# Allegro board meta_module_lay_rev1.brd (continued)
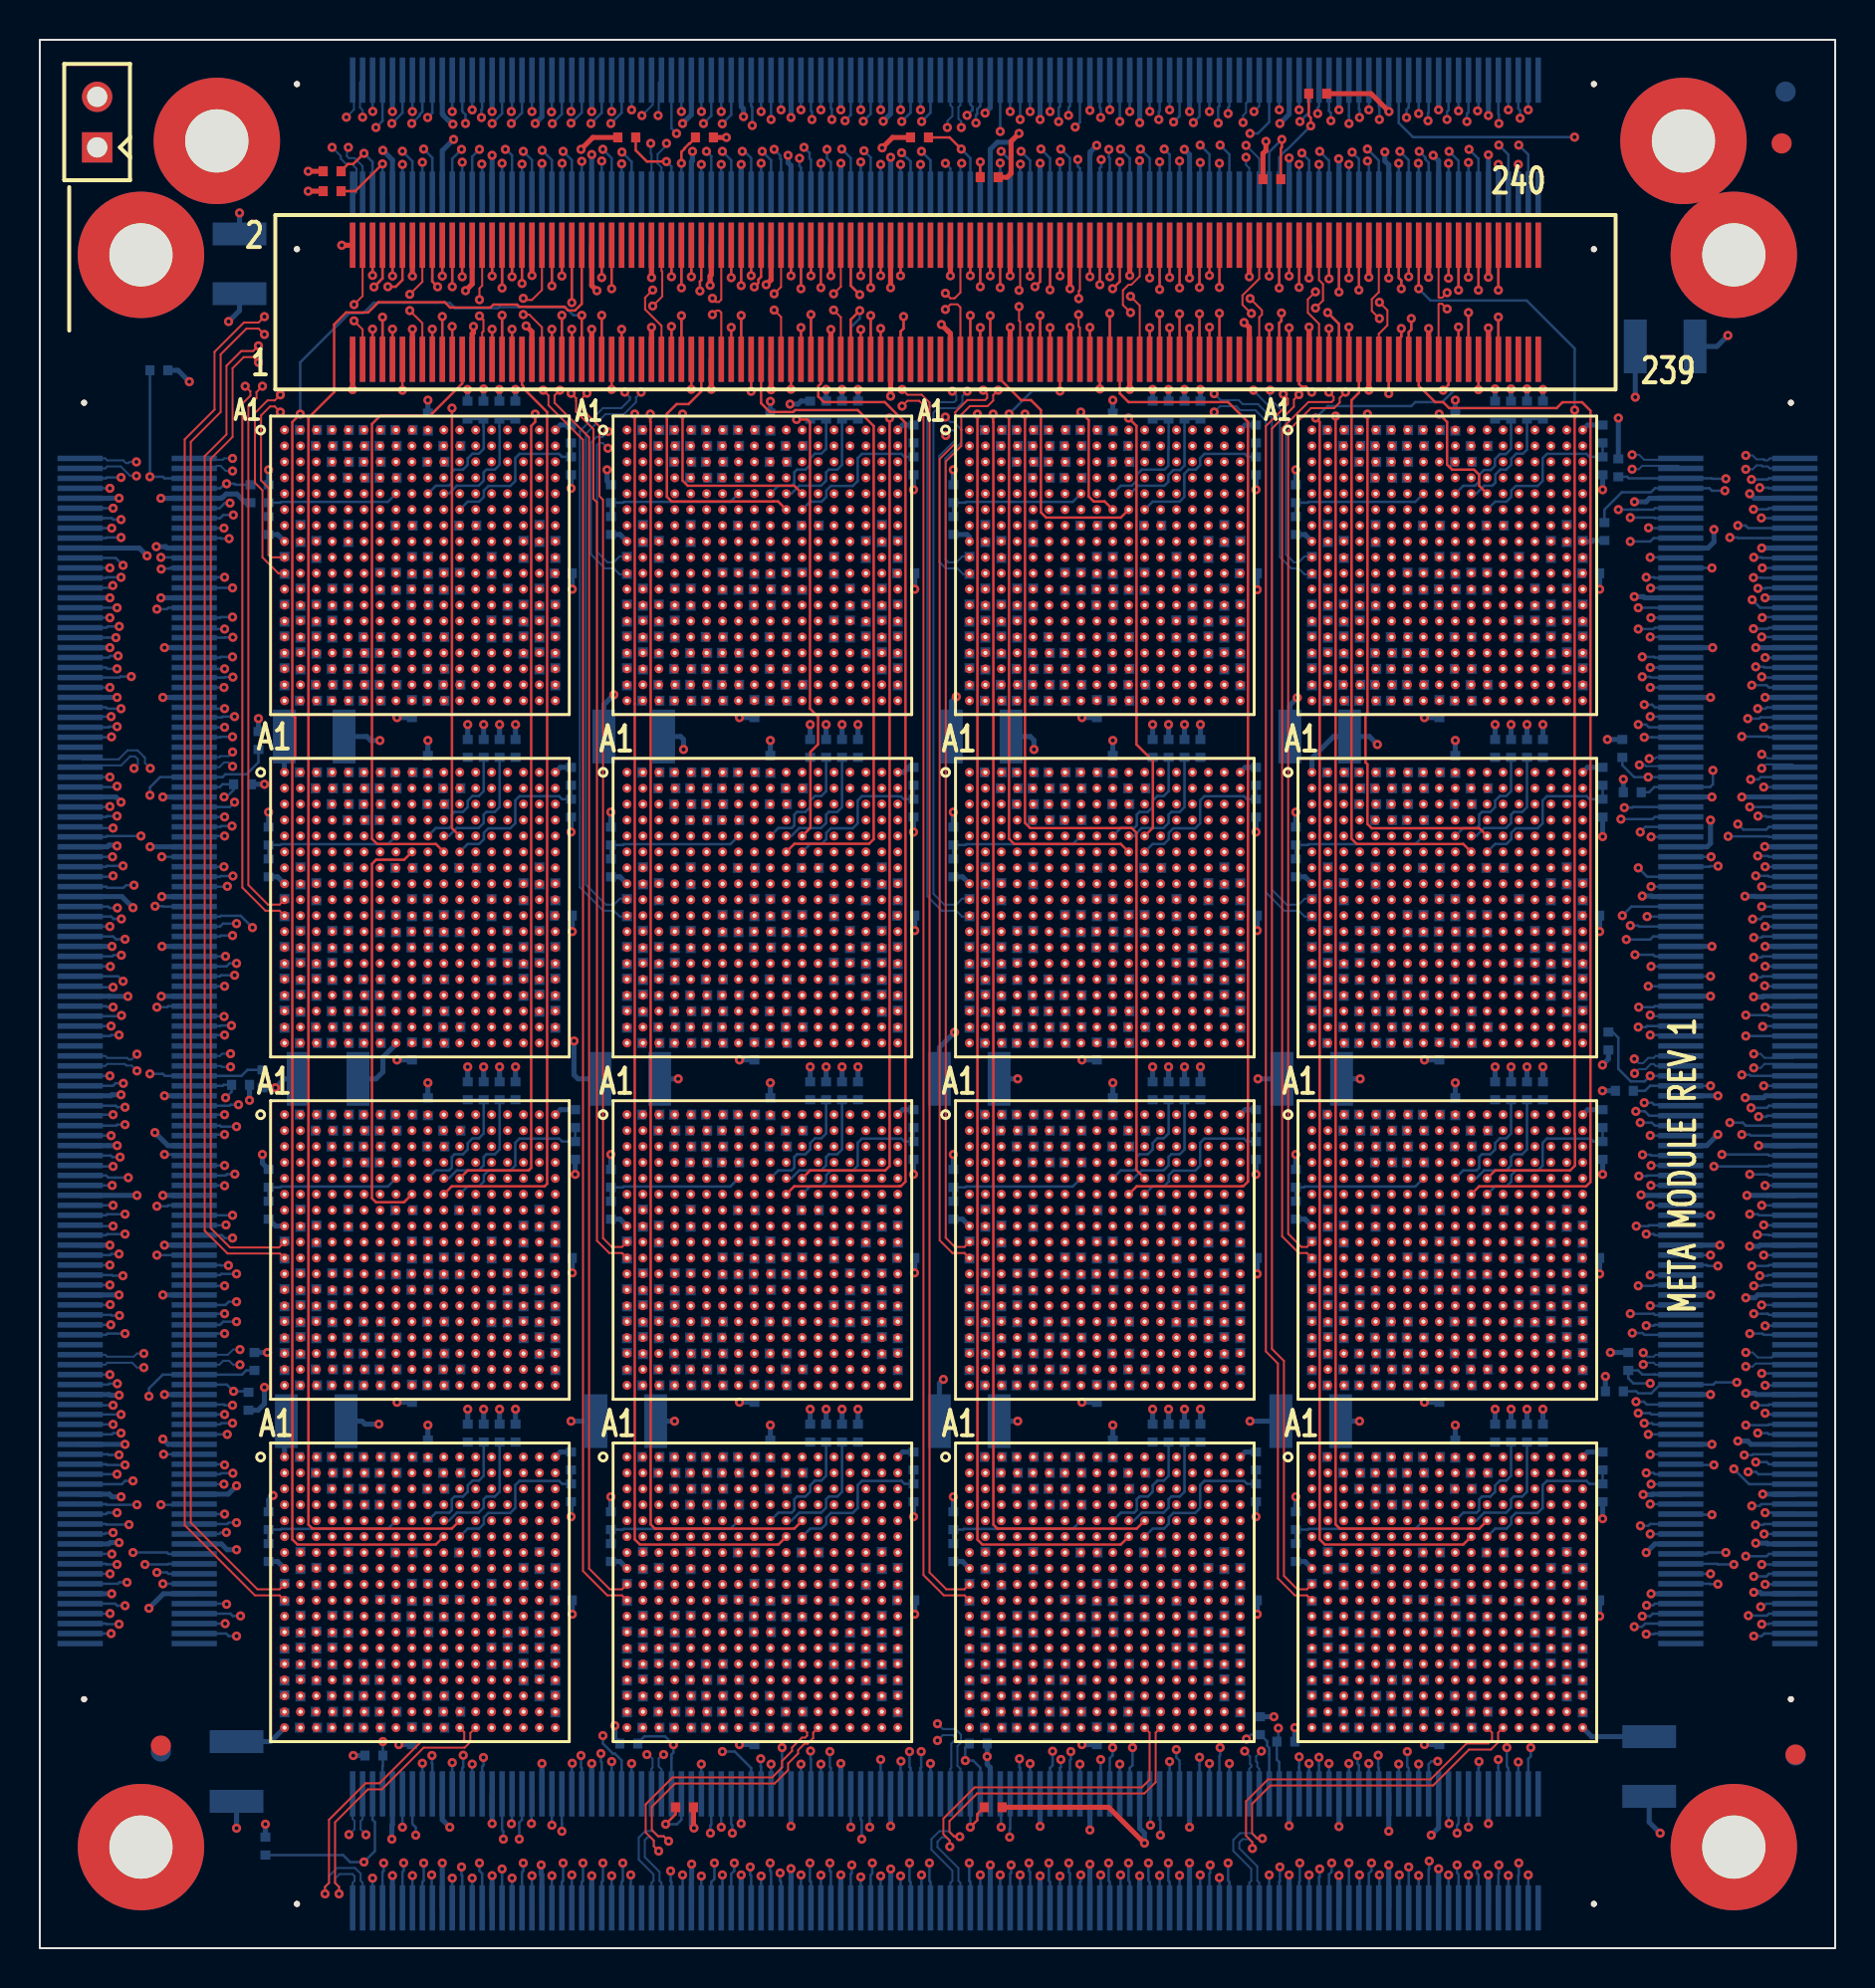
[diagram p0: board, top side]
## Routing (per net, layer and track width the routed paths; a pad name or vN(x,y) marks a point on that pad's centre or on a via; arc(x,y) is an arc through that point) (continued)
EA_WAIT_WR_OUT_N3: length 14.7
  SIGNAL_L12 w0.083: U14.K16 76.32,17.91 76.84,17.91 77.12,18.19 77.12,18.43 77.37,18.68 77.68,18.68 79.47,20.47 79.47,21.15 79.47,21.3 79.47,21.64 79.64,21.82 79.64,22.12 79.42,22.34 79.42,23.36 79.69,23.63 79.69,26.98 v1(80.17,27.46)
  BOTTOM w0.127: v1(80.17,27.46) 80.56,27.46 80.7,27.32 J3.49
EA_WAIT_WR_OUT_P0: length 8.3
  SIGNAL_L12 w0.083: U5.L16 76.29,68.68 76.81,68.68 77.08,68.95 77.08,69.28 77.28,69.48 77.68,69.48 78.88,70.68 78.88,70.88 v1(79.88,71.88)
  BOTTOM w0.127: v1(79.88,71.88) 81.09,71.88 81.12,71.85 J3.227
EA_WAIT_WR_OUT_P1: length 10.7
  SIGNAL_L12 w0.083: U6.L16 76.29,51.48 76.81,51.48 77.08,51.75 77.08,52.08 77.28,52.28 77.68,52.28 79.41,54.01 v1(79.41,56.73)
  BOTTOM w0.127: J3.167 81.12,56.84 81.01,56.73 v1(79.41,56.73)
EA_WAIT_WR_OUT_P2: length 12.8
  SIGNAL_L12 w0.083: v1(80.16,42.05) 79.57,41.46 79.57,38.36 79.08,37.87 79.08,36.48 77.68,35.08 77.28,35.08 77.08,34.88 77.08,34.55 76.81,34.28 76.29,34.28 U13.L16
  BOTTOM w0.127: J3.107 80.83,41.83 80.61,42.05 v1(80.16,42.05)
EA_WAIT_WR_OUT_P3: length 15.1
  SIGNAL_L12 w0.083: U14.L16 76.29,17.08 76.81,17.08 77.08,17.35 77.08,17.68 77.28,17.88 77.98,17.88 79.65,19.55 79.65,20.23 79.65,20.39 79.65,20.39 79.65,21.22 79.65,21.38 79.65,21.53 79.65,21.57 79.82,21.74 79.82,22.19 79.82,22.2 79.61,22.41 79.61,22.83 79.61,23.28 79.88,23.55 79.88,26.48 v1(80.28,26.88)
  BOTTOM w0.127: J3.47 80.94,26.82 80.87,26.88 v1(80.28,26.88)
EW_DATA_N0: length 12.4
  SIGNAL_L6 w0.083: U1.G15 40.31,71.1 40.31,69.72 40.55,69.48 43.28,69.48 43.48,69.28 43.48,66.69 U7.U1
EW_DATA_N0_SNOW4-1: length 12.4
  SIGNAL_L6 w0.083: U3.G15 23.11,71.1 23.11,69.72 23.35,69.48 26.08,69.48 26.28,69.28 26.28,66.69 U1.U1
EW_DATA_N0_SNOW4-2: length 12.4
  SIGNAL_L6 w0.083: U7.G15 57.51,71.1 57.51,69.72 57.75,69.48 60.48,69.48 60.68,69.28 60.68,66.69 U5.U1
EW_DATA_N0_SNOW4-3: length 12.4
  SIGNAL_L6 w0.083: U11.G15 23.11,36.7 23.11,35.32 23.35,35.08 26.08,35.08 26.28,34.88 26.28,32.29 U9.U1
EW_DATA_N0_SNOW4-4: length 13
  SIGNAL_L6 w0.083: U13.U1 62.88,29.08 62.28,29.68 60.68,31.28 60.68,34.88 60.48,35.08 57.75,35.08 57.51,35.32 57.51,36.7 U15.G15
EW_DATA_N1: length 15.8
  SIGNAL_L3 w0.083: U7.T2 47.09,63.88 42.15,63.88 41.87,64.16 41.87,64.44 41.61,64.7 41.33,64.7 41.07,64.96 41.07,65.24 40.81,65.5 40.53,65.5 40.29,65.74 40.29,71.62 40.55,71.88 41.09,71.88 U1.F16
EW_DATA_N1_SNOW4-1: length 15.8
  SIGNAL_L3 w0.083: U3.F16 23.89,71.88 23.35,71.88 23.09,71.62 23.09,65.74 23.33,65.5 23.61,65.5 23.87,65.24 23.87,64.96 24.13,64.7 24.41,64.7 24.67,64.44 24.67,64.16 24.95,63.88 29.89,63.88 U1.T2
EW_DATA_N1_SNOW4-2: length 15.8
  SIGNAL_L3 w0.083: U7.F16 58.29,71.88 57.75,71.88 57.49,71.62 57.49,65.74 57.73,65.5 58.01,65.5 58.27,65.24 58.27,64.96 58.53,64.7 58.81,64.7 59.07,64.44 59.07,64.16 59.35,63.88 64.29,63.88 U5.T2
EW_DATA_N1_SNOW4-3: length 15.8
  SIGNAL_L3 w0.083: U11.F16 23.89,37.48 23.35,37.48 23.09,37.22 23.09,31.34 23.33,31.1 23.61,31.1 23.87,30.84 23.87,30.56 24.13,30.3 24.41,30.3 24.67,30.04 24.67,29.76 24.95,29.48 29.89,29.48 U9.T2
EW_DATA_N1_SNOW4-4: length 15.8
  SIGNAL_L3 w0.083: U15.F16 58.29,37.48 57.75,37.48 57.49,37.22 57.49,31.34 57.73,31.1 58.01,31.1 58.27,30.84 58.27,30.56 58.53,30.3 58.81,30.3 59.07,30.04 59.07,29.76 59.35,29.48 64.29,29.48 U13.T2
EW_DATA_N2: length 16.9
  SIGNAL_L6 w0.083: U7.R3 48.68,65.47 48.68,66.03 48.45,66.26 48.1,66.26 47.88,66.48 47.88,68.41 48.13,68.66 48.55,68.66 48.68,68.79 48.68,73.23 48.45,73.46 48.17,73.46 47.91,73.72 47.91,74.05 47.68,74.28 46.43,74.28 46.03,73.88 43.88,73.88 43.48,73.48 42.69,73.48 U1.E17
EW_DATA_N2_SNOW4-1: length 16.9
  SIGNAL_L6 w0.083: U3.E17 25.49,73.48 26.28,73.48 26.68,73.88 28.68,73.88 29.08,74.28 30.48,74.28 30.71,74.05 30.71,73.72 30.97,73.46 31.25,73.46 31.48,73.23 31.48,68.79 31.35,68.66 30.93,68.66 30.68,68.41 30.68,66.48 30.9,66.26 31.25,66.26 31.48,66.03 31.48,65.47 U1.R3
EW_DATA_N2_SNOW4-2: length 16.9
  SIGNAL_L6 w0.083: U7.E17 59.89,73.48 60.68,73.48 61.08,73.88 63.04,73.88 63.05,73.89 63.24,73.89 63.63,74.28 64.88,74.28 65.11,74.05 65.11,73.72 65.37,73.46 65.65,73.46 65.88,73.23 65.88,68.79 65.75,68.66 65.33,68.66 65.08,68.41 65.08,66.48 65.3,66.26 65.65,66.26 65.88,66.03 65.88,65.47 U5.R3
EW_DATA_N2_SNOW4-3: length 16.9
  SIGNAL_L6 w0.083: U11.E17 25.49,39.08 26.28,39.08 26.68,39.48 28.64,39.48 28.65,39.49 28.84,39.49 29.23,39.88 30.48,39.88 30.71,39.65 30.71,39.32 30.97,39.06 31.25,39.06 31.48,38.83 31.48,34.39 31.35,34.26 30.93,34.26 30.68,34.01 30.68,32.08 30.9,31.86 31.25,31.86 31.48,31.63 31.48,31.07 U9.R3
EW_DATA_N2_SNOW4-4: length 16.9
  SIGNAL_L6 w0.083: U15.E17 59.89,39.08 60.68,39.08 61.11,39.51 63.23,39.51 63.61,39.88 64.88,39.88 65.11,39.65 65.11,39.32 65.37,39.06 65.65,39.06 65.88,38.83 65.88,34.39 65.75,34.26 65.33,34.26 65.08,34.01 65.08,32.08 65.3,31.86 65.65,31.86 65.88,31.63 65.88,31.07 U13.R3
EW_DATA_N3: length 16.4
  SIGNAL_L3 w0.083: U1.D18 42.69,73.48 42.09,73.48 41.89,73.28 41.89,65.75 41.91,65.73 41.91,65.72 42.13,65.5 48.51,65.5 48.89,65.88 U7.P4
EW_DATA_N3_SNOW4-1: length 16.4
  SIGNAL_L3 w0.083: U3.D18 25.49,73.48 24.89,73.48 24.69,73.28 24.69,65.75 24.71,65.73 24.71,65.72 24.93,65.5 31.31,65.5 31.69,65.88 U1.P4
EW_DATA_N3_SNOW4-2: length 16.4
  SIGNAL_L3 w0.083: U7.D18 59.89,73.48 59.29,73.48 59.09,73.28 59.09,65.75 59.11,65.73 59.11,65.72 59.33,65.5 65.71,65.5 66.09,65.88 U5.P4
EW_DATA_N3_SNOW4-3: length 16.4
  SIGNAL_L3 w0.083: U11.D18 25.49,39.08 24.89,39.08 24.69,38.88 24.69,31.35 24.71,31.33 24.71,31.32 24.93,31.1 31.51,31.1 U9.P4
EW_DATA_N3_SNOW4-4: length 16.4
  SIGNAL_L3 w0.083: U13.P4 66.09,31.48 65.71,31.1 59.33,31.1 59.11,31.32 59.11,31.33 59.09,31.35 59.09,38.88 59.29,39.08 59.89,39.08 U15.D18
EW_DATA_N4: length 15.6
  SIGNAL_L12 w0.083: U1.E15 40.29,72.68 40.29,65.75 40.56,65.49 40.88,65.49 41.08,65.29 41.08,64.88 41.28,64.68 41.68,64.68 41.88,64.48 41.88,64.17 42.14,63.91 44.71,63.91 45.88,65.08 U7.R1
EW_DATA_N4_SNOW4-1: length 15.6
  SIGNAL_L12 w0.083: U3.E15 23.09,72.68 23.09,65.75 23.36,65.49 23.68,65.49 23.88,65.29 23.88,64.88 24.08,64.68 24.48,64.68 24.68,64.48 24.68,64.17 24.94,63.91 27.51,63.91 28.68,65.08 U1.R1
EW_DATA_N4_SNOW4-2: length 15.6
  SIGNAL_L12 w0.083: U5.R1 63.08,65.08 61.91,63.91 59.34,63.91 59.08,64.17 59.08,64.48 58.88,64.68 58.48,64.68 58.28,64.88 58.28,65.29 58.08,65.49 57.76,65.49 57.49,65.75 57.49,72.68 U7.E15
EW_DATA_N4_SNOW4-3: length 15.6
  SIGNAL_L12 w0.083: U9.R1 28.68,30.68 27.51,29.51 24.94,29.51 24.68,29.77 24.68,30.08 24.48,30.28 24.08,30.28 23.88,30.48 23.88,30.89 23.68,31.09 23.36,31.09 23.09,31.35 23.09,38.28 U11.E15
EW_DATA_N4_SNOW4-4: length 15.6
  SIGNAL_L12 w0.083: U15.E15 57.49,38.28 57.49,31.35 57.76,31.09 58.08,31.09 58.28,30.89 58.28,30.48 58.48,30.28 58.88,30.28 59.08,30.08 59.08,29.77 59.34,29.51 61.91,29.51 63.08,30.68 U13.R1
EW_DATA_N5: length 15
  SIGNAL_L12 w0.083: U1.D16 41.09,73.48 41.09,72.15 41.4,71.85 41.64,71.85 41.88,71.61 41.88,65.77 42.17,65.48 44.88,65.48 45.69,66.29 47.09,66.29 U7.P2
EW_DATA_N5_SNOW4-1: length 15
  SIGNAL_L12 w0.083: U1.P2 29.89,66.29 28.49,66.29 27.68,65.48 24.97,65.48 24.68,65.77 24.68,71.61 24.44,71.85 24.2,71.85 23.89,72.15 23.89,73.48 U3.D16
EW_DATA_N5_SNOW4-2: length 15
  SIGNAL_L12 w0.083: U5.P2 64.29,66.29 62.89,66.29 62.08,65.48 59.37,65.48 59.08,65.77 59.08,71.61 58.84,71.85 58.6,71.85 58.29,72.15 58.29,73.48 U7.D16
EW_DATA_N5_SNOW4-3: length 15
  SIGNAL_L12 w0.083: U11.D16 23.89,39.08 23.89,37.75 24.2,37.45 24.44,37.45 24.68,37.21 24.68,31.37 24.97,31.08 27.68,31.08 28.49,31.89 29.89,31.89 U9.P2
EW_DATA_N5_SNOW4-4: length 15
  SIGNAL_L12 w0.083: U15.D16 58.29,39.08 58.29,37.75 58.6,37.45 58.84,37.45 59.08,37.21 59.08,31.37 59.37,31.08 62.08,31.08 62.89,31.89 64.29,31.89 U13.P2
EW_DATA_N6: length 18.3
  SIGNAL_L6 w0.083: U7.N3 48.68,67.07 50.02,67.07 50.28,67.33 50.28,73.23 50.01,73.5 49.69,73.5 49.51,73.68 49.51,74 49.25,74.26 48.9,74.26 48.68,74.48 48.68,74.83 48.44,75.07 48.08,75.07 47.88,75.27 47.88,75.6 47.86,75.62 47.86,75.63 47.64,75.85 46.25,75.85 45.88,75.48 44.68,75.48 44.27,75.07 42.68,75.07 U1.C17
EW_DATA_N6_SNOW4-1: length 18.4
  SIGNAL_L6 w0.083: U1.N3 31.48,67.07 32.82,67.07 33.08,67.33 33.08,73.23 32.81,73.5 32.49,73.5 32.31,73.68 32.31,74 32.05,74.26 31.7,74.26 31.48,74.48 31.48,74.83 31.24,75.07 30.88,75.07 30.68,75.27 30.68,75.63 30.43,75.88 28.74,75.88 28.69,75.83 28.38,75.83 28.33,75.88 27.69,75.88 26.88,75.07 25.67,75.07 25.28,74.68 U3.C17
EW_DATA_N6_SNOW4-2: length 18.4
  SIGNAL_L6 w0.083: U5.N3 65.88,67.07 67.22,67.07 67.48,67.33 67.48,73.23 67.21,73.5 66.89,73.5 66.71,73.68 66.71,74 66.45,74.26 66.1,74.26 65.88,74.48 65.88,74.83 65.64,75.07 65.28,75.07 65.08,75.27 65.08,75.63 64.83,75.88 62.09,75.88 61.28,75.07 60.07,75.07 59.68,74.68 U7.C17
EW_DATA_N6_SNOW4-3: length 18.4
  SIGNAL_L6 w0.083: U9.N3 31.48,32.67 32.82,32.67 33.08,32.93 33.08,38.83 32.81,39.1 32.49,39.1 32.31,39.28 32.31,39.6 32.05,39.86 31.7,39.86 31.48,40.08 31.48,40.43 31.24,40.67 30.88,40.67 30.68,40.87 30.68,41.23 30.43,41.48 27.69,41.48 26.88,40.67 25.67,40.67 25.28,40.28 U11.C17
EW_DATA_N6_SNOW4-4: length 18.4
  SIGNAL_L6 w0.083: U15.C17 59.68,40.28 60.07,40.67 61.28,40.67 62.09,41.48 64.83,41.48 65.08,41.23 65.08,40.87 65.28,40.67 65.64,40.67 65.88,40.43 65.88,40.08 66.1,39.86 66.45,39.86 66.71,39.6 66.71,39.28 66.89,39.1 67.21,39.1 67.48,38.83 67.48,32.93 67.22,32.67 65.88,32.67 U13.N3
EW_DATA_N7: length 13
  SIGNAL_L12 w0.083: U1.B18 42.69,75.08 42.69,74.4 42.83,74.26 43.51,74.26 43.69,74.08 43.79,74.08 43.8,74.07 44.3,74.07 45.09,73.28 45.68,73.28 46.28,72.68 47.68,72.68 47.91,72.44 47.91,68.12 48.16,67.88 48.7,67.88 48.83,67.75 48.83,67.74 U7.M4
EW_DATA_N7_SNOW4-1: length 12.9
  SIGNAL_L12 w0.083: U1.M4 31.63,67.74 31.63,67.75 31.5,67.88 30.96,67.88 30.72,68.12 30.72,72.44 30.48,72.68 27.99,72.68 26.41,74.26 25.79,74.26 25.49,74.56 25.49,75.08 U3.B18
EW_DATA_N7_SNOW4-2: length 13
  SIGNAL_L12 w0.083: U7.B18 59.89,75.08 59.89,74.4 60.03,74.26 61.31,74.26 62.89,72.68 64.88,72.68 65.11,72.44 65.11,68.12 65.36,67.88 65.9,67.88 66.03,67.75 66.03,67.74 U5.M4
EW_DATA_N7_SNOW4-3: length 13
  SIGNAL_L12 w0.083: U9.M4 31.63,33.34 31.63,33.35 31.5,33.48 30.96,33.48 30.72,33.72 30.72,38.05 30.48,38.28 29.08,38.28 28.48,38.88 27.89,38.88 27.1,39.67 26.6,39.67 26.59,39.68 26.49,39.68 26.31,39.86 25.63,39.86 25.49,40 25.49,40.68 U11.B18
EW_DATA_N7_SNOW4-4: length 13
  SIGNAL_L12 w0.083: U13.M4 66.03,33.34 66.03,33.35 65.9,33.48 65.36,33.48 65.11,33.72 65.11,38.05 64.88,38.28 63.48,38.28 62.88,38.88 62.29,38.88 61.5,39.67 61,39.67 60.99,39.68 60.89,39.68 60.71,39.86 60.03,39.86 59.89,40 59.89,40.68 U15.B18
EW_DATA_N8: length 12.4
  SIGNAL_L6 w0.083: U8.U1 43.48,49.49 43.48,52.08 43.28,52.28 40.55,52.28 40.31,52.52 40.31,53.9 U2.G15
EW_DATA_N8_SNOW4-1: length 12.4
  SIGNAL_L6 w0.083: U4.G15 23.11,53.9 23.11,52.52 23.35,52.28 26.08,52.28 26.28,52.08 26.28,49.49 U2.U1
EW_DATA_N8_SNOW4-2: length 12.4
  SIGNAL_L6 w0.083: U8.G15 57.69,54.08 57.69,53.89 57.51,53.71 57.51,52.52 57.75,52.28 60.48,52.28 60.68,52.08 60.68,49.49 U6.U1
EW_DATA_N8_SNOW4-3: length 13
  SIGNAL_L6 w0.083: U10.U1 28.48,11.88 27.88,12.48 26.28,14.08 26.28,17.68 26.08,17.88 23.35,17.88 23.11,18.12 23.11,19.5 U12.G15
EW_DATA_N8_SNOW4-4: length 13
  SIGNAL_L6 w0.083: U16.G15 57.51,19.5 57.51,18.12 57.75,17.88 60.48,17.88 60.68,17.68 60.68,14.08 62.28,12.48 62.88,11.88 U14.U1
EW_DATA_N9: length 15.8
  SIGNAL_L3 w0.083: U8.T2 47.09,46.68 42.15,46.68 41.87,46.96 41.87,47.24 41.61,47.5 41.33,47.5 41.07,47.76 41.07,48.04 40.81,48.3 40.53,48.3 40.29,48.54 40.29,54.42 40.55,54.68 41.09,54.68 U2.F16
EW_DATA_N9_SNOW4-1: length 15.8
  SIGNAL_L3 w0.083: U2.T2 29.89,46.68 24.95,46.68 24.67,46.96 24.67,47.24 24.41,47.5 24.13,47.5 23.87,47.76 23.87,48.04 23.61,48.3 23.33,48.3 23.09,48.54 23.09,54.42 23.35,54.68 23.89,54.68 U4.F16
EW_DATA_N9_SNOW4-2: length 15.8
  SIGNAL_L3 w0.083: U8.F16 58.29,54.68 57.75,54.68 57.49,54.42 57.49,48.54 57.73,48.3 58.01,48.3 58.27,48.04 58.27,47.76 58.53,47.5 58.81,47.5 59.07,47.24 59.07,46.96 59.35,46.68 64.29,46.68 U6.T2
EW_DATA_N9_SNOW4-3: length 15.8
  SIGNAL_L3 w0.083: U10.T2 29.89,12.28 24.95,12.28 24.67,12.56 24.67,12.84 24.41,13.1 24.13,13.1 23.87,13.36 23.87,13.64 23.61,13.9 23.33,13.9 23.09,14.14 23.09,20.02 23.35,20.28 23.89,20.28 U12.F16
EW_DATA_N9_SNOW4-4: length 15.9
  SIGNAL_L3 w0.083: U14.T2 64.29,12.28 59.35,12.28 59.07,12.56 59.07,12.84 58.81,13.1 58.53,13.1 58.27,13.36 58.27,13.64 58.01,13.9 57.73,13.9 57.49,14.14 57.49,20.09 57.68,20.28 58.29,20.28 U16.F16
EW_DATA_N10: length 16.9
  SIGNAL_L6 w0.083: U8.R3 48.68,48.27 48.68,48.83 48.45,49.06 48.1,49.06 47.88,49.28 47.88,51.21 48.13,51.46 48.55,51.46 48.68,51.59 48.68,56.03 48.45,56.26 48.17,56.26 47.91,56.52 47.91,56.85 47.68,57.08 46.43,57.08 46.04,56.69 45.85,56.69 45.84,56.68 43.88,56.68 43.48,56.28 42.69,56.28 U2.E17
EW_DATA_N10_SNOW4-1: length 16.9
  SIGNAL_L6 w0.083: U2.R3 31.48,48.27 31.48,48.83 31.25,49.06 30.9,49.06 30.68,49.28 30.68,51.21 30.93,51.46 31.35,51.46 31.48,51.59 31.48,56.03 31.25,56.26 30.97,56.26 30.71,56.52 30.71,56.85 30.48,57.08 29.23,57.08 28.84,56.69 28.65,56.69 28.64,56.68 26.68,56.68 26.28,56.28 25.49,56.28 U4.E17
EW_DATA_N10_SNOW4-2: length 16.9
  SIGNAL_L6 w0.083: U8.E17 59.89,56.28 60.68,56.28 61.08,56.68 63.04,56.68 63.05,56.69 63.24,56.69 63.63,57.08 64.88,57.08 65.11,56.85 65.11,56.52 65.37,56.26 65.65,56.26 65.88,56.03 65.88,51.59 65.75,51.46 65.33,51.46 65.08,51.21 65.08,49.28 65.3,49.06 65.65,49.06 65.88,48.83 65.88,48.27 U6.R3
EW_DATA_N10_SNOW4-3: length 16.9
  SIGNAL_L6 w0.083: U12.E17 25.49,21.88 26.28,21.88 26.68,22.28 28.64,22.28 28.65,22.29 28.84,22.29 29.23,22.68 30.48,22.68 30.71,22.45 30.71,22.12 30.97,21.86 31.25,21.86 31.48,21.63 31.48,17.19 31.35,17.06 30.93,17.06 30.68,16.81 30.68,14.88 30.9,14.66 31.25,14.66 31.48,14.43 31.48,13.87 U10.R3
EW_DATA_N10_SNOW4-4: length 16.9
  SIGNAL_L6 w0.083: U14.R3 65.88,13.87 65.88,14.43 65.65,14.66 65.3,14.66 65.08,14.88 65.08,16.81 65.33,17.06 65.75,17.06 65.88,17.19 65.88,21.63 65.65,21.86 65.37,21.86 65.11,22.12 65.11,22.45 64.88,22.68 63.61,22.68 63.23,22.31 63.11,22.31 63.08,22.28 61.08,22.28 60.68,21.88 59.89,21.88 U16.E17
EW_DATA_N11: length 16.4
  SIGNAL_L3 w0.083: U8.P4 48.89,48.68 48.51,48.3 42.13,48.3 41.91,48.52 41.91,48.53 41.89,48.55 41.89,56.08 42.09,56.28 42.69,56.28 U2.D18
EW_DATA_N11_SNOW4-1: length 16.4
  SIGNAL_L3 w0.083: U4.D18 25.49,56.28 24.89,56.28 24.69,56.08 24.69,48.55 24.71,48.53 24.71,48.52 24.93,48.3 31.31,48.3 31.69,48.68 U2.P4
EW_DATA_N11_SNOW4-2: length 16.4
  SIGNAL_L3 w0.083: U6.P4 66.09,48.68 65.71,48.3 59.33,48.3 59.11,48.52 59.11,48.53 59.09,48.55 59.09,56.08 59.29,56.28 59.89,56.28 U8.D18
EW_DATA_N11_SNOW4-3: length 16.4
  SIGNAL_L3 w0.083: U10.P4 31.69,14.28 31.31,13.9 24.93,13.9 24.71,14.12 24.71,14.13 24.69,14.15 24.69,21.68 24.89,21.88 25.49,21.88 U12.D18
EW_DATA_N11_SNOW4-4: length 16.4
  SIGNAL_L3 w0.083: U16.D18 59.89,21.88 59.29,21.88 59.09,21.68 59.09,14.15 59.11,14.13 59.11,14.12 59.33,13.9 65.71,13.9 66.09,14.28 U14.P4
EW_DATA_N12: length 15.6
  SIGNAL_L12 w0.083: U8.R1 45.88,47.88 44.71,46.71 42.14,46.71 41.88,46.97 41.88,47.28 41.68,47.48 41.28,47.48 41.08,47.68 41.08,48.09 40.88,48.29 40.56,48.29 40.29,48.55 40.29,55.48 U2.E15
EW_DATA_N12_SNOW4-1: length 15.6
  SIGNAL_L12 w0.083: U4.E15 23.09,55.48 23.09,48.55 23.36,48.29 23.68,48.29 23.88,48.09 23.88,47.68 24.08,47.48 24.48,47.48 24.68,47.28 24.68,46.97 24.94,46.71 27.51,46.71 28.68,47.88 U2.R1
EW_DATA_N12_SNOW4-2: length 15.6
  SIGNAL_L12 w0.083: U6.R1 63.08,47.88 61.91,46.71 59.34,46.71 59.08,46.97 59.08,47.28 58.88,47.48 58.48,47.48 58.28,47.68 58.28,48.09 58.08,48.29 57.76,48.29 57.49,48.55 57.49,55.48 U8.E15
EW_DATA_N12_SNOW4-3: length 15.6
  SIGNAL_L12 w0.083: U10.R1 28.68,13.48 27.51,12.31 24.94,12.31 24.68,12.57 24.68,12.88 24.48,13.08 24.08,13.08 23.88,13.28 23.88,13.69 23.68,13.89 23.36,13.89 23.09,14.15 23.09,21.08 U12.E15
EW_DATA_N12_SNOW4-4: length 15.6
  SIGNAL_L12 w0.083: U16.E15 57.49,21.08 57.49,14.15 57.76,13.89 58.08,13.89 58.28,13.69 58.28,13.28 58.48,13.08 58.88,13.08 59.08,12.88 59.08,12.57 59.34,12.31 61.51,12.31 62.68,13.48 U14.R1
EW_DATA_N13: length 15
  SIGNAL_L12 w0.083: U8.P2 47.09,49.09 45.69,49.09 44.88,48.28 42.17,48.28 41.88,48.57 41.88,54.41 41.64,54.65 41.4,54.65 41.09,54.95 41.09,56.28 U2.D16
EW_DATA_N13_SNOW4-1: length 15
  SIGNAL_L12 w0.083: U4.D16 23.89,56.28 23.89,54.95 24.2,54.65 24.44,54.65 24.68,54.41 24.68,48.57 24.97,48.28 27.68,48.28 28.49,49.09 29.89,49.09 U2.P2
EW_DATA_N13_SNOW4-2: length 15
  SIGNAL_L12 w0.083: U6.P2 64.29,49.09 62.89,49.09 62.08,48.28 59.37,48.28 59.08,48.57 59.08,50.14 59.09,50.15 59.09,54.4 58.84,54.65 58.6,54.65 58.29,54.95 58.29,56.28 U8.D16
EW_DATA_N13_SNOW4-3: length 15
  SIGNAL_L12 w0.083: U12.D16 23.89,21.88 23.89,20.55 24.2,20.25 24.44,20.25 24.68,20.01 24.68,14.17 24.97,13.88 27.68,13.88 28.49,14.69 29.89,14.69 U10.P2
EW_DATA_N13_SNOW4-4: length 15
  SIGNAL_L12 w0.083: U16.D16 58.29,21.88 58.29,20.55 58.6,20.25 58.84,20.25 59.08,20.01 59.08,14.17 59.37,13.88 62.08,13.88 62.89,14.69 64.29,14.69 U14.P2
EW_DATA_N14: length 18.4
  SIGNAL_L6 w0.083: U8.N3 48.68,49.87 50.02,49.87 50.28,50.13 50.28,56.03 50.01,56.3 49.69,56.3 49.51,56.48 49.51,56.8 49.25,57.06 48.9,57.06 48.68,57.28 48.68,57.63 48.44,57.87 48.08,57.87 47.88,58.07 47.88,58.43 47.63,58.68 44.89,58.68 44.08,57.87 42.68,57.87 U2.C17
EW_DATA_N14_SNOW4-1: length 18.4
  SIGNAL_L6 w0.083: U4.C17 25.28,57.48 25.67,57.87 26.88,57.87 27.69,58.68 30.43,58.68 30.68,58.43 30.68,58.07 30.88,57.87 31.24,57.87 31.48,57.63 31.48,57.28 31.7,57.06 32.05,57.06 32.31,56.8 32.31,56.48 32.49,56.3 32.81,56.3 33.08,56.03 33.08,50.13 32.82,49.87 31.48,49.87 U2.N3
EW_DATA_N14_SNOW4-2: length 18.4
  SIGNAL_L6 w0.083: U8.C17 59.88,57.87 61.28,57.87 62.09,58.68 64.83,58.68 65.08,58.43 65.08,58.07 65.28,57.87 65.64,57.87 65.88,57.63 65.88,57.28 66.1,57.06 66.45,57.06 66.71,56.8 66.71,56.48 66.89,56.3 67.21,56.3 67.48,56.03 67.48,50.13 67.22,49.87 65.88,49.87 U6.N3
EW_DATA_N14_SNOW4-3: length 18.4
  SIGNAL_L6 w0.083: U10.N3 31.48,15.47 32.82,15.47 33.08,15.73 33.08,21.63 32.81,21.9 32.49,21.9 32.31,22.08 32.31,22.4 32.05,22.66 31.7,22.66 31.48,22.88 31.48,23.23 31.24,23.47 30.88,23.47 30.68,23.67 30.68,24.03 30.43,24.28 27.69,24.28 26.88,23.47 25.67,23.47 25.28,23.08 U12.C17
EW_DATA_N14_SNOW4-4: length 18.4
  SIGNAL_L6 w0.083: U14.N3 65.88,15.47 67.22,15.47 67.48,15.73 67.48,21.63 67.21,21.9 66.89,21.9 66.71,22.08 66.71,22.4 66.45,22.66 66.1,22.66 65.88,22.88 65.88,23.23 65.64,23.47 65.28,23.47 65.08,23.67 65.08,24.03 64.83,24.28 62.09,24.28 61.28,23.47 60.07,23.47 59.68,23.08 U16.C17
EW_DATA_N15: length 13
  SIGNAL_L12 w0.083: U2.B18 42.69,57.88 42.69,57.2 42.83,57.06 43.51,57.06 43.69,56.88 43.79,56.88 43.8,56.87 44.3,56.87 45.09,56.08 45.68,56.08 46.28,55.48 47.68,55.48 47.91,55.24 47.91,50.92 48.16,50.68 48.7,50.68 48.83,50.55 48.83,50.54 U8.M4
EW_DATA_N15_SNOW4-1: length 13
  SIGNAL_L12 w0.083: U4.B18 25.49,57.88 25.49,57.2 25.63,57.06 26.31,57.06 26.49,56.88 26.59,56.88 26.6,56.87 27.1,56.87 27.89,56.08 28.48,56.08 29.08,55.48 30.48,55.48 30.72,55.24 30.72,50.92 30.96,50.68 31.5,50.68 31.63,50.55 31.63,50.54 U2.M4
EW_DATA_N15_SNOW4-2: length 13
  SIGNAL_L12 w0.083: U8.B18 59.89,57.88 59.89,57.2 60.03,57.06 60.71,57.06 60.89,56.88 60.99,56.88 61,56.87 61.5,56.87 62.29,56.08 62.88,56.08 63.48,55.48 64.88,55.48 65.11,55.24 65.11,50.92 65.36,50.68 65.9,50.68 66.03,50.55 66.03,50.54 U6.M4
EW_DATA_N15_SNOW4-3: length 13
  SIGNAL_L12 w0.083: U10.M4 31.63,16.14 31.63,16.15 31.5,16.28 30.96,16.28 30.72,16.52 30.72,20.84 30.48,21.08 29.08,21.08 28.48,21.68 27.89,21.68 27.1,22.47 26.6,22.47 26.59,22.48 26.49,22.48 26.31,22.66 25.63,22.66 25.49,22.8 25.49,23.48 U12.B18
EW_DATA_N15_SNOW4-4: length 13
  SIGNAL_L12 w0.083: U14.M4 66.03,16.14 66.03,16.15 65.9,16.28 65.36,16.28 65.11,16.52 65.11,20.84 64.88,21.08 63.48,21.08 62.88,21.68 62.29,21.68 61.5,22.47 61,22.47 60.99,22.48 60.89,22.48 60.71,22.66 60.03,22.66 59.89,22.8 59.89,23.48 U16.B18
EW_DATA_N16: length 12.4
  SIGNAL_L6 w0.083: U9.G15 40.31,36.7 40.31,35.32 40.55,35.08 43.28,35.08 43.48,34.88 43.48,32.29 U15.U1
EW_DATA_N17: length 15.8
  SIGNAL_L3 w0.083: U15.T2 47.09,29.48 42.15,29.48 41.87,29.76 41.87,30.04 41.61,30.3 41.33,30.3 41.07,30.56 41.07,30.84 40.81,31.1 40.53,31.1 40.29,31.34 40.29,37.22 40.55,37.48 41.09,37.48 U9.F16
EW_DATA_N18: length 16.9
  SIGNAL_L6 w0.083: U15.R3 48.68,31.07 48.68,31.63 48.45,31.86 48.1,31.86 47.88,32.08 47.88,34.01 48.13,34.26 48.55,34.26 48.68,34.39 48.68,38.83 48.45,39.06 48.17,39.06 47.91,39.32 47.91,39.65 47.68,39.88 46.43,39.88 46.04,39.49 45.85,39.49 45.84,39.48 43.88,39.48 43.48,39.08 42.69,39.08 U9.E17
EW_DATA_N19: length 16.4
  SIGNAL_L3 w0.083: U15.P4 48.89,31.48 48.51,31.1 42.13,31.1 41.91,31.32 41.91,31.33 41.89,31.35 41.89,38.88 42.09,39.08 42.69,39.08 U9.D18
EW_DATA_N20: length 15.6
  SIGNAL_L12 w0.083: U9.E15 40.29,38.28 40.29,31.35 40.56,31.09 40.88,31.09 41.08,30.89 41.08,30.48 41.28,30.28 41.68,30.28 41.88,30.08 41.88,29.77 42.14,29.51 44.71,29.51 45.88,30.68 U15.R1
EW_DATA_N21: length 15
  SIGNAL_L12 w0.083: U9.D16 41.09,39.08 41.09,37.75 41.4,37.45 41.64,37.45 41.88,37.21 41.88,31.37 42.17,31.08 44.88,31.08 45.69,31.89 47.09,31.89 U15.P2
EW_DATA_N22: length 18.4
  SIGNAL_L6 w0.083: U9.C17 42.48,40.28 42.88,40.68 44.09,40.68 44.89,41.48 47.63,41.48 47.88,41.23 47.88,40.87 48.08,40.67 48.44,40.67 48.68,40.43 48.68,40.08 48.9,39.86 49.25,39.86 49.51,39.6 49.51,39.28 49.69,39.1 50.01,39.1 50.28,38.83 50.28,32.93 50.02,32.67 48.68,32.67 U15.N3
EW_DATA_N23: length 13
  SIGNAL_L12 w0.083: U9.B18 42.69,40.68 42.69,40 42.83,39.86 43.51,39.86 43.69,39.68 43.79,39.68 43.8,39.67 44.3,39.67 45.09,38.88 45.68,38.88 46.28,38.28 47.68,38.28 47.91,38.05 47.91,33.72 48.16,33.48 48.7,33.48 48.83,33.35 48.83,33.34 U15.M4
EW_DATA_N24: length 13
  SIGNAL_L6 w0.083: U16.U1 45.68,11.88 45.08,12.48 43.48,14.08 43.48,17.68 43.28,17.88 40.55,17.88 40.31,18.12 40.31,19.5 U10.G15
EW_DATA_N25: length 15.8
  SIGNAL_L3 w0.083: U10.F16 41.09,20.28 40.55,20.28 40.29,20.02 40.29,14.14 40.53,13.9 40.81,13.9 41.07,13.64 41.07,13.36 41.33,13.1 41.61,13.1 41.87,12.84 41.87,12.56 42.15,12.28 47.09,12.28 U16.T2
EW_DATA_N26: length 16.9
  SIGNAL_L6 w0.083: U10.E17 42.69,21.88 43.48,21.88 43.88,22.28 45.84,22.28 45.85,22.29 46.04,22.29 46.43,22.68 47.68,22.68 47.91,22.45 47.91,22.12 48.17,21.86 48.45,21.86 48.68,21.63 48.68,17.19 48.55,17.06 48.13,17.06 47.88,16.81 47.88,14.88 48.1,14.66 48.45,14.66 48.68,14.43 48.68,13.87 U16.R3
EW_DATA_N27: length 16.4
  SIGNAL_L3 w0.083: U16.P4 48.89,14.28 48.51,13.9 42.13,13.9 41.91,14.12 41.91,14.13 41.89,14.15 41.89,21.68 42.09,21.88 42.69,21.88 U10.D18
EW_DATA_N28: length 15.6
  SIGNAL_L12 w0.083: U16.R1 45.88,13.48 44.71,12.31 42.14,12.31 41.88,12.57 41.88,12.88 41.68,13.08 41.28,13.08 41.08,13.28 41.08,13.69 40.88,13.89 40.56,13.89 40.29,14.15 40.29,21.08 U10.E15
EW_DATA_N29: length 15
  SIGNAL_L12 w0.083: U10.D16 41.09,21.88 41.09,20.55 41.4,20.25 41.64,20.25 41.88,20.01 41.88,14.17 42.17,13.88 44.88,13.88 45.69,14.69 47.09,14.69 U16.P2
EW_DATA_N30: length 18.4
  SIGNAL_L6 w0.083: U10.C17 42.68,23.47 44.08,23.47 44.89,24.28 47.63,24.28 47.88,24.03 47.88,23.67 48.08,23.47 48.44,23.47 48.68,23.23 48.68,22.88 48.9,22.66 49.25,22.66 49.51,22.4 49.51,22.08 49.69,21.9 50.01,21.9 50.28,21.63 50.28,15.73 50.02,15.47 48.68,15.47 U16.N3
EW_DATA_N31: length 13
  SIGNAL_L12 w0.083: U10.B18 42.69,23.48 42.69,22.8 42.83,22.66 43.51,22.66 43.69,22.48 43.79,22.48 43.8,22.47 44.3,22.47 45.09,21.68 45.68,21.68 46.28,21.08 47.68,21.08 47.91,20.84 47.91,16.52 48.16,16.28 48.7,16.28 48.83,16.15 48.83,16.14 U16.M4
EW_DATA_P0: length 10.3
  SIGNAL_L6 w0.083: U7.T1 44.48,66.49 44.48,69.28 43.46,70.3 41.07,70.3 U1.H15
EW_DATA_P0_SNOW4-1: length 10.3
  SIGNAL_L6 w0.083: U1.T1 27.28,66.49 27.28,69.28 26.26,70.3 23.87,70.3 U3.H15
EW_DATA_P0_SNOW4-2: length 10.3
  SIGNAL_L6 w0.083: U7.H15 58.27,70.3 60.66,70.3 61.68,69.28 61.68,66.49 U5.T1
EW_DATA_P0_SNOW4-3: length 10.3
  SIGNAL_L6 w0.083: U9.T1 27.28,32.09 27.28,34.88 26.26,35.9 23.87,35.9 U11.H15
EW_DATA_P0_SNOW4-4: length 10.6
  SIGNAL_L6 w0.083: U15.H15 58.27,35.9 60.66,35.9 61.68,34.88 61.68,31.48 63.28,29.88 U13.T1
EW_DATA_P1: length 13.1
  SIGNAL_L3 w0.083: U7.R2 47.11,64.7 42.13,64.7 42.1,64.72 41.87,64.96 41.87,65.24 41.61,65.5 41.33,65.5 41.1,65.73 41.1,71.09 U1.G16
EW_DATA_P1_SNOW4-1: length 13.1
  SIGNAL_L3 w0.083: U3.G16 23.9,71.09 23.9,65.73 24.13,65.5 24.41,65.5 24.67,65.24 24.67,64.96 24.93,64.7 29.91,64.7 U1.R2
EW_DATA_P1_SNOW4-2: length 13.1
  SIGNAL_L3 w0.083: U5.R2 64.31,64.7 59.33,64.7 59.3,64.72 59.07,64.96 59.07,65.24 58.81,65.5 58.53,65.5 58.3,65.73 58.3,71.09 U7.G16
EW_DATA_P1_SNOW4-3: length 13.1
  SIGNAL_L3 w0.083: U11.G16 23.9,36.69 23.9,31.33 24.13,31.1 24.41,31.1 24.67,30.84 24.67,30.56 24.93,30.3 29.91,30.3 U9.R2
EW_DATA_P1_SNOW4-4: length 13.1